# Allegro board PCIE_FIBER_BOARD-1116.brd (continued)
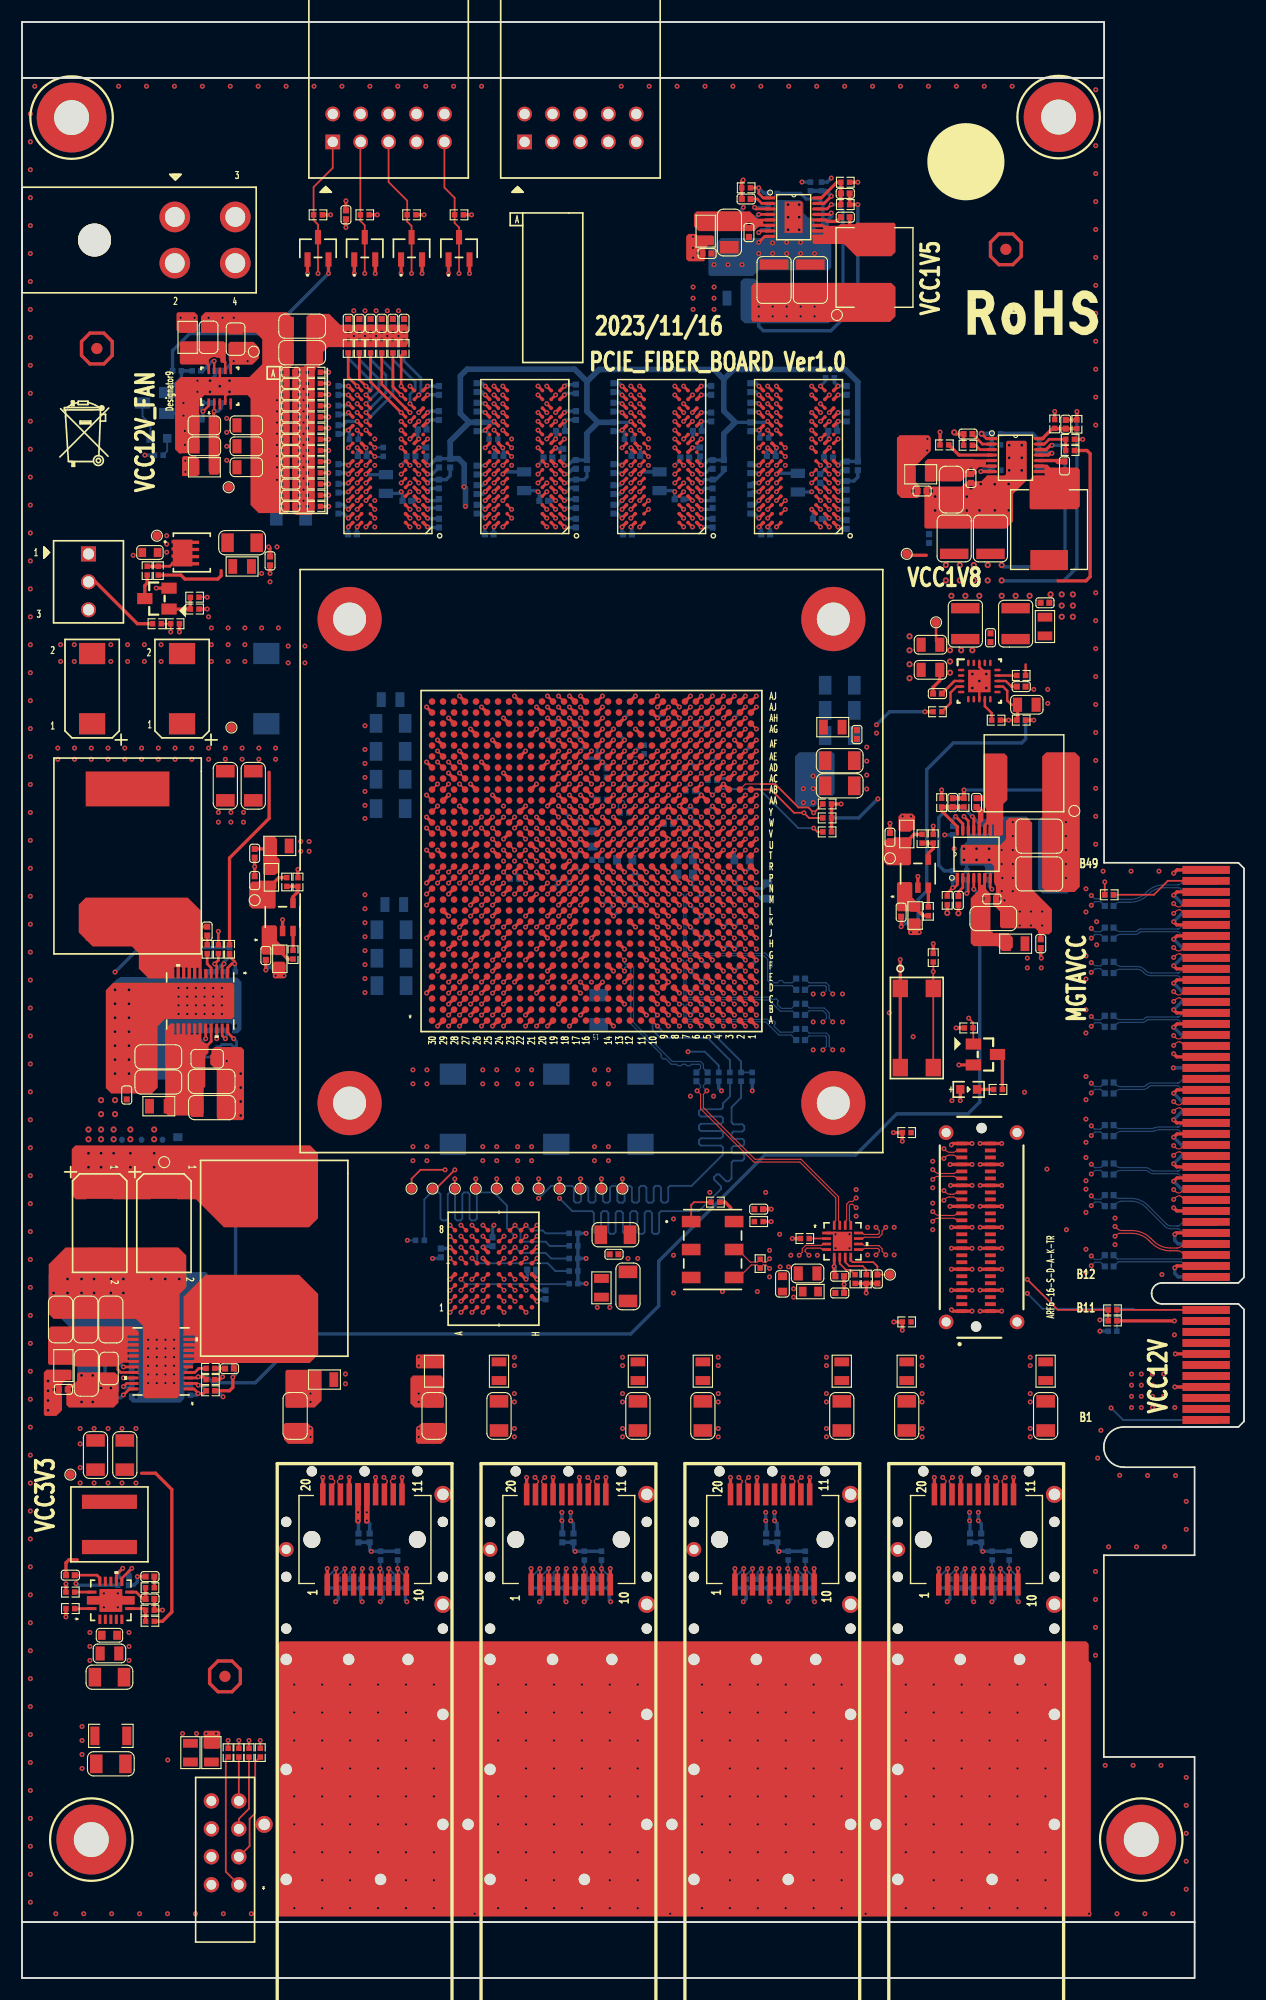
[diagram p0: board, top side]
## Routing (per net, layer and track width the routed paths; a pad name or vN(x,y) marks a point on that pad's centre or on a via; arc(x,y) is an arc through that point) (continued)
  ART08 w0.117: v1(40.8,99.53) 40.39,99.94 40.39,100.58 39.12,101.85 33.4,101.85 26.7,95.15 26.7,80.64 26.81,80.52 27,80.52 27.11,80.41 27.11,80.17 27,80.06 26.81,80.06 26.7,79.94 26.7,78.72 27.35,78.07 27.35,77.91 26.92,77.48 26.92,77.32 27.09,77.15 27.25,77.15 27.68,77.58 27.84,77.58 28.01,77.41 28.01,77.25 27.59,76.82 27.59,76.66 27.75,76.49 27.92,76.49 28.34,76.92 28.51,76.92 28.67,76.75 28.67,76.58 28.25,76.16 28.25,76 28.41,75.83 28.58,75.83 29,76.25 29.17,76.25 29.33,76.09 29.33,75.92 28.91,75.5 28.91,75.33 29.07,75.17 29.24,75.17 29.66,75.59 29.83,75.59 29.99,75.43 29.99,75.26 29.57,74.84 29.57,74.67 29.74,74.51 29.9,74.51 30.32,74.93 30.49,74.93 30.66,74.77 30.66,74.6 30.23,74.18 30.23,74.01 30.4,73.85 30.56,73.85 30.99,74.27 31.15,74.27 31.32,74.1 31.32,73.94 30.89,73.51 30.89,73.35 31.06,73.18 31.22,73.18 31.65,73.61 31.81,73.61 31.98,73.44 31.98,73.28 31.55,72.85 31.55,72.69 31.72,72.52 31.88,72.52 32.31,72.95 32.47,72.95 32.64,72.78 32.64,72.62 32.22,72.19 32.22,72.03 32.38,71.86 32.55,71.86 32.97,72.29 33.14,72.29 34.05,71.37 45.06,71.37 47.62,68.81 47.62,65.02 47.5,64.9 46.61,64.9 46.35,65.15 46.35,67.06 45.98,67.43 v1(45.85,67.43)
BPI_FLASH_DQ_15: length 82
  TOP w0.165: U248.E7 v1(43.85,67.43) ; U247.R26 v1(40.8,100.53)
  ART08 w0.117: v1(43.85,67.43) 43.85,68.83 43.34,69.34 32.49,69.34 24.82,77.01 24.82,99 30.46,104.65 31.88,104.65 32.26,105.03 32.64,105.03 32.76,105.15 32.76,105.48 32.88,105.6 33.11,105.6 33.23,105.48 33.23,105.15 33.34,105.03 33.58,105.03 33.69,105.15 33.69,105.48 33.81,105.6 34.04,105.6 34.16,105.48 34.16,105.15 34.28,105.03 34.51,105.03 34.63,105.15 34.63,105.48 34.75,105.6 34.98,105.6 35.1,105.48 35.1,105.15 35.21,105.03 35.45,105.03 35.56,105.15 35.56,105.48 35.68,105.6 35.91,105.6 36.03,105.48 36.03,105.15 36.15,105.03 43.59,105.03 45.59,103.02 45.92,103.02 46.23,102.72 46.23,102.36 45.85,101.98 42.25,101.98 v1(40.8,100.53)
BPI_FLASH_OE_B: length 85.9
  TOP w0.165: U248.F8 v1(44.85,68.43) ; U247.M24 v1(42.8,97.53)
  ART03 w0.117: v1(44.85,68.43) 44.85,69.51 45.19,69.85 45.36,69.85 46.03,69.18 46.2,69.18 46.36,69.35 46.36,69.51 45.69,70.18 45.69,70.35 46.74,71.4 48.05,71.4 48.37,71.72 48.37,72.07 48.26,72.19 47.52,72.19 47.4,72.31 47.4,72.54 47.52,72.66 48.26,72.66 48.37,72.77 48.37,73.01 48.26,73.12 47.52,73.12 47.4,73.24 47.4,73.47 47.52,73.59 48.26,73.59 48.37,73.71 48.37,73.94 48.26,74.06 47.52,74.06 47.4,74.18 47.4,74.41 47.52,74.53 48.26,74.53 48.37,74.64 48.37,74.88 48.26,74.99 47.52,74.99 47.4,75.11 47.4,75.34 47.52,75.46 48.26,75.46 48.37,75.58 48.37,75.9 47.93,76.35 47.77,76.35 47.22,75.8 47.05,75.8 46.89,75.97 46.89,76.13 47.43,76.68 47.43,76.84 47.27,77.01 47.1,77.01 46.56,76.46 46.39,76.46 46.23,76.63 46.23,76.79 46.77,77.34 46.77,77.5 46.61,77.67 46.44,77.67 45.9,77.12 45.73,77.12 45.57,77.29 45.57,77.45 46.11,78 46.11,78.17 45.77,78.51 45.23,78.51 45.11,78.39 45.11,78.06 44.99,77.95 44.76,77.95 44.64,78.06 44.64,78.39 44.53,78.51 44.14,78.51 44.03,78.39 44.03,76.61 43.91,76.49 43.68,76.49 43.56,76.61 43.56,78.39 43.44,78.51 43.21,78.51 43.09,78.39 43.09,76.61 42.98,76.49 42.74,76.49 42.62,76.61 42.62,78.39 42.51,78.51 42.27,78.51 42.16,78.39 42.16,76.61 42.04,76.49 41.81,76.49 41.69,76.61 41.69,78.39 41.57,78.51 41.34,78.51 41.22,78.39 41.22,76.61 41.11,76.49 40.87,76.49 40.76,76.61 40.76,78.39 40.64,78.51 40.4,78.51 40.29,78.39 40.29,76.61 40.17,76.49 39.94,76.49 39.82,76.61 39.82,78.39 39.7,78.51 38.91,78.51 36.17,81.25 36.17,85.32 35.53,85.97 35.53,91.13 39.52,95.12 41.22,95.12 42.29,96.19 42.29,97.02 v1(42.8,97.53)
  BOTTOM w0.165: R1153.2 48.01,66.55 47.62,66.93 45.5,66.93 45.34,67.09 45.34,67.93 v1(44.85,68.43)
BPI_FLASH_RST_B: length 66.6
  TOP w0.165: U248.D4 v1(41.93,63.51)
  ART03 w0.117: v1(41.93,63.51) 43.13,63.51 43.64,64.03 47.13,64.03 47.88,64.77 47.88,69.85 v1(48.9,70.87)
  BOTTOM w0.165: R1151.2 65.41,80.01 64.54,79.15 64.54,77.77 64.71,77.6 65.53,77.6 65.69,77.44 65.69,77.11 65.53,76.94 64.71,76.94 64.54,76.78 64.54,76.45 64.71,76.28 65.53,76.28 65.69,76.12 65.69,75.79 65.53,75.62 64.71,75.62 64.54,75.46 64.54,75.13 64.71,74.96 65.53,74.96 65.69,74.8 65.69,74.47 65.53,74.3 64.71,74.3 64.54,74.14 64.54,72.68 64.28,72.42 64.05,72.42 63.42,73.05 63.19,73.05 62.95,72.81 62.95,72.58 63.58,71.95 63.58,71.72 61.56,69.71 58.12,69.71 57.96,69.54 57.96,67.81 57.79,67.65 57.46,67.65 57.3,67.81 57.3,69.54 57.13,69.71 56.8,69.71 56.64,69.54 56.64,67.81 56.47,67.65 56.14,67.65 55.98,67.81 55.98,69.54 55.81,69.71 55.48,69.71 55.31,69.54 55.31,67.81 55.15,67.65 54.82,67.65 54.65,67.81 54.65,69.54 54.49,69.71 54.16,69.71 53.99,69.54 53.99,67.81 53.83,67.65 53.5,67.65 53.33,67.81 53.33,69.54 53.17,69.71 52.84,69.71 52.67,69.54 52.67,67.81 52.51,67.65 52.18,67.65 52.01,67.81 52.01,69.54 51.85,69.71 50.06,69.71 v1(48.9,70.87)
BPI_FLASH_WAIT: length 46.4
  TOP w0.165: U247.R28 v1(38.8,100.53)
  ART03 w0.117: v1(38.8,100.53) 38.23,101.1 36.79,101.1 36.67,100.99 36.67,100.51 36.56,100.39 36.32,100.39 36.21,100.51 36.21,100.99 36.09,101.1 35.85,101.1 35.74,100.99 35.74,100.51 35.62,100.39 35.39,100.39 35.27,100.51 35.27,100.99 35.15,101.1 34.83,101.1 32.86,99.13 32.86,96.99 31.31,95.44 31.05,95.44 29.87,94.26 29.87,86.56 31.09,85.34 31.09,83 32.97,81.12 32.97,69.14 v1(35.05,67.06)
  BOTTOM w0.165: R1157.1 v1(35.05,67.06)
BPI_FLASH_WE_B: length 84.2
  TOP w0.165: U248.G8 v1(45.85,68.43) ; U247.M25 v1(41.8,97.53)
  ART03 w0.117: v1(41.8,97.53) 41.3,97.03 41.3,96.41 40.87,95.99 39.5,95.99 39.17,95.66 39.01,95.66 38.42,96.25 38.25,96.25 38.08,96.09 38.08,95.92 38.68,95.33 38.68,95.17 38.51,95 38.35,95 37.75,95.59 37.59,95.59 37.42,95.43 37.42,95.26 38.01,94.67 38.01,94.5 37.07,93.56 36.9,93.56 36.38,94.08 36.22,94.08 36.05,93.91 36.05,93.75 36.57,93.23 36.57,93.06 36.41,92.9 36.24,92.9 35.72,93.42 35.56,93.42 35.39,93.25 35.39,93.09 35.91,92.57 35.91,92.4 35.1,91.59 35.1,85.35 35.22,85.23 35.67,85.23 35.79,85.12 35.79,84.88 35.67,84.76 35.22,84.76 35.1,84.65 35.1,84.41 35.22,84.3 35.67,84.3 35.79,84.18 35.79,83.95 35.67,83.83 35.22,83.83 35.1,83.71 35.1,80.56 35.45,80.21 35.62,80.21 36.07,80.66 36.24,80.66 36.4,80.5 36.4,80.33 35.95,79.88 35.95,79.71 36.11,79.55 36.28,79.55 36.73,80 36.9,80 37.06,79.84 37.06,79.67 36.61,79.22 36.61,79.05 36.77,78.88 36.94,78.88 37.39,79.34 37.56,79.34 37.72,79.17 37.72,79.01 37.27,78.55 37.27,78.39 37.44,78.22 37.6,78.22 38.06,78.68 38.22,78.68 38.39,78.51 38.39,78.35 37.93,77.89 37.93,77.73 38.1,77.56 38.26,77.56 38.72,78.02 38.88,78.02 39.05,77.85 39.05,77.69 38.59,77.23 38.59,77.07 39.59,76.07 40.18,76.07 40.3,75.95 40.3,75.46 40.41,75.34 40.65,75.34 40.76,75.46 40.76,75.95 40.88,76.07 43.64,76.07 43.75,75.95 43.75,73.88 43.64,73.76 40.28,73.76 40.16,73.65 40.16,73.41 40.28,73.3 43.64,73.3 43.75,73.18 43.75,72.05 43.87,71.93 44.1,71.93 44.22,72.05 44.22,75.95 44.34,76.07 45.67,76.07 45.94,75.8 45.94,75.02 45.82,74.9 45.63,74.9 45.52,74.79 45.52,74.55 45.63,74.44 45.82,74.44 45.94,74.32 45.94,74.09 45.82,73.97 45.63,73.97 45.52,73.85 45.52,73.62 45.63,73.5 45.82,73.5 45.94,73.39 45.94,73.15 45.82,73.04 45.63,73.04 45.52,72.92 45.52,72.68 45.63,72.57 45.82,72.57 45.94,72.45 45.94,72.22 45.82,72.1 45.63,72.1 45.52,71.98 45.52,71.75 45.63,71.63 45.82,71.63 45.94,71.52 45.94,71.2 44.24,69.49 44.24,68.25 44.54,67.95 45.36,67.95 v1(45.85,68.43)
  BOTTOM w0.165: R1156.2 47.62,67.69 47.37,67.95 46.33,67.95 v1(45.85,68.43)
DDR3_A_A0: length 115.9
  TOP w0.254: U78.N3 v1(46.93,142.3) ; U77.N3 v1(34.49,142.3) 31.7,145.08 R460.2 ; U247.AB9 v1(58.8,108.53) ; U76.N3 v1(71.83,142.3) ; U75.N3 v1(59.38,142.3)
  ART05 w0.102: 75.01,143.04 73.24,143.04 72.9,142.7 72.23,142.7 v1(71.83,142.3) 71.43,142.7 59.78,142.7 v1(59.38,142.3) 58.98,142.7 47.33,142.7 v1(46.93,142.3) 46.53,142.7 34.89,142.7 v1(34.49,142.3) ; v1(58.8,108.53) 58.84,108.53 59.24,108.93 61.93,108.93 62.29,109.28 62.29,109.69 62.59,110 67.3,110
  ART05 w0.183: 75.01,143.04 75.8,143.04 78.79,140.05 78.79,130.26 75.17,126.64 71.94,126.64 70.68,125.38 70.68,118.43 70.5,118.25 69.57,118.25 69.38,118.06 69.38,117.7 69.57,117.52 70.5,117.52 70.68,117.33 70.68,116.97 70.5,116.78 69.13,116.78 68.94,116.6 68.94,116.24 69.13,116.05 70.5,116.05 70.68,115.87 70.68,115.5 70.5,115.32 69.13,115.32 68.94,115.14 68.94,114.77 69.13,114.59 70.5,114.59 70.68,114.41 70.68,114.04 70.5,113.86 69.13,113.86 68.94,113.68 68.94,113.31 69.13,113.13 70.5,113.13 70.68,112.94 70.68,112.56 70.03,111.91 69.77,111.91 69.28,112.4 69.02,112.4 68.77,112.14 68.77,111.88 69.26,111.39 69.26,111.13 68.12,110 67.3,110
DDR3_A_A1: length 114.3
  TOP w0.254: U75.P7 v1(56.18,143.1) ; U77.P7 v1(31.29,143.1) ; U76.P7 v1(68.63,143.1) ; U247.AA11 v1(56.8,107.53) ; U78.P7 v1(43.73,143.1)
  ART08 w0.102: v1(31.29,143.1) 31.69,143.5 43.29,143.5 43.69,143.1 v1(43.73,143.1) 44.13,143.5 55.78,143.5 v1(56.18,143.1) 56.58,143.5 68.02,143.5 68.43,143.1 v1(68.63,143.1) 71.78,143.1 72.18,142.7 72.94,142.7 73.13,142.89 73.39,142.89 ; 67.18,110.32 66.79,109.93 57.61,109.93 57.4,109.72 57.4,108.43 56.8,107.83 v1(56.8,107.53)
  ART08 w0.183: 67.18,110.32 67.48,110.62 67.48,117.16 67.3,117.34 64.42,117.34 64.21,117.54 64.21,117.89 64.4,118.07 67.3,118.07 67.48,118.25 67.48,126.68 67.76,126.96 68.01,126.96 69.03,125.94 69.29,125.94 69.55,126.2 69.55,126.46 68.53,127.47 68.53,127.73 68.79,127.99 69.05,127.99 69.47,127.57 69.73,127.57 69.98,127.83 69.98,128.09 69.57,128.51 69.57,128.77 71.92,131.12 74.76,131.12 75.23,131.59 75.23,142.04 74.38,142.89 73.39,142.89
  BOTTOM w0.254: v1(31.29,143.1) 32.47,144.28 32.47,145.33 30.69,147.1 R461.2
DDR3_A_A2: length 115.2
  TOP w0.254: U76.P3 v1(72.63,142.3) ; R462.2 32.72,144.87 U77.P3 v1(35.29,142.3) ; U78.P3 v1(47.73,142.3) ; U75.P3 v1(60.18,142.3) ; U247.AC10 v1(57.8,109.53)
  ART03 w0.102: v1(35.29,142.3) 35.69,142.7 U78.P3 v1(47.73,142.3) 48.14,142.7 U75.P3 v1(60.18,142.3) 60.58,142.7 U76.P3 v1(72.63,142.3)
  ART05 w0.102: v1(72.63,142.3) 72.86,142.3 73.26,142.7 74.39,142.7 74.7,142.39 74.96,142.39 ; v1(57.8,109.53) 58.2,109.13 60.96,109.13 61.2,109.36 61.2,110.63 61.55,110.99 66.92,110.99
  ART05 w0.183: 74.96,142.39 75.76,142.39 78.3,139.85 78.3,130.46 74.97,127.13 71.74,127.13 70.19,125.59 70.19,121.97 70.01,121.79 67.57,121.79 67.39,121.6 67.39,121.24 67.57,121.05 70.01,121.05 70.19,120.87 70.19,120.5 70.01,120.32 67.46,120.32 67.27,120.14 67.27,119.77 67.46,119.59 70.01,119.59 70.19,119.41 70.19,119.04 70.01,118.86 67.75,118.86 67.57,118.68 67.57,118.31 67.75,118.13 68.27,118.13 68.46,117.94 68.46,112.52 67.95,112.01 67.95,111.75 68.44,111.26 68.44,111 68.18,110.74 67.92,110.74 67.43,111.23 67.17,111.23 66.92,110.99
DDR3_A_A3: length 117.7
  TOP w0.254: U75.N2 v1(60.18,141.5) ; U77.N2 v1(35.29,141.5) ; U247.AC9 v1(58.8,109.53) ; R463.2 v1(27.89,140.88) ; U78.N2 v1(47.73,141.5) ; U76.N2 v1(72.63,141.5)
  ART03 w0.102: v1(72.63,141.5) 72.23,141.9 U75.N2 v1(60.18,141.5) 59.78,141.9 U78.N2 v1(47.73,141.5) 47.33,141.9 U77.N2 v1(35.29,141.5)
  ART05 w0.102: v1(27.89,140.88) 28.11,141.1 34.89,141.1 v1(35.29,141.5) ; 67.3,112.05 60.69,112.05 60.4,111.77 60.4,110.23 60.1,109.93 59.2,109.93 v1(58.8,109.53) ; v1(72.63,141.5) U76.N2 75.21,141.9
  ART05 w0.183: 67.3,112.05 67.97,112.72 67.97,117.22 66.79,118.4 66.79,122.35 66.97,122.54 69.52,122.54 69.71,122.72 69.71,123.09 69.52,123.27 66.97,123.27 66.79,123.45 66.79,123.82 66.97,124 69.52,124 69.71,124.18 69.71,124.55 69.52,124.73 66.97,124.73 66.79,124.92 66.79,125.28 66.97,125.46 69.52,125.46 69.71,125.65 69.71,126.01 69.52,126.2 68.02,126.2 67.81,126.4 67.81,126.75 68.04,126.99 70.91,126.99 71.54,127.62 74.77,127.62 77.81,130.66 77.81,139.65 75.56,141.9 75.21,141.9
DDR3_A_A4: length 112.1
  TOP w0.254: U77.P8 v1(30.49,143.1) ; U78.P8 v1(42.93,143.1) ; U247.AB12 v1(55.8,108.53) ; U76.P8 v1(67.83,143.1) ; U75.P8 v1(55.38,143.1) ; R464.2 v1(27.89,144.95)
  ART05 w0.102: v1(30.49,143.1) 30.09,143.5 29.34,143.5 v1(27.89,144.95)
  ART08 w0.102: 63.33,117.03 63.33,110.4 63.06,110.13 57.53,110.13 57.2,109.8 57.2,109.25 56.95,109 56.27,109 v1(55.8,108.53) ; v1(67.83,143.1) 68.01,143.1 68.41,142.7 70.73,142.7 71.53,141.9 74.43,141.9 74.68,141.64
  ART08 w0.183: 74.68,141.64 74.68,131.73 74.41,131.46 71.57,131.46 66.99,126.88 66.99,121.67 66.81,121.48 64.55,121.48 64.37,121.3 64.37,120.94 64.55,120.75 66.81,120.75 66.99,120.57 66.99,120.2 66.81,120.02 63.83,120.02 63.64,119.84 63.64,119.47 63.83,119.29 66.81,119.29 66.99,119.11 66.99,118.74 66.81,118.56 63.51,118.56 63.33,118.37 63.33,117.03
  ART10 w0.102: v1(67.83,143.1) 67.43,142.7 U75.P8 v1(55.38,143.1) 54.98,142.7 U78.P8 v1(42.93,143.1) 42.53,142.7 U77.P8 v1(30.49,143.1)
DDR3_A_A5: length 114.9
  TOP w0.254: U75.P2 v1(60.18,143.1) ; U77.P2 v1(35.29,143.1) ; U247.AA8 v1(59.8,107.53) ; U78.P2 v1(47.73,143.1) ; U76.P2 v1(72.63,143.1)
  ART05 w0.102: 67.3,108.79 67.27,108.79 67.13,108.93 63.28,108.93 62.28,107.93 61.32,107.93 60.92,107.53 v1(59.8,107.53) ; 74.67,144.3 74.67,144.3 74.01,144.3 73.91,144.4 73.36,144.4 72.9,143.94 72.9,143.37 v1(72.63,143.1) 72.23,143.5 60.58,143.5 v1(60.18,143.1) 59.78,143.5 48.14,143.5 v1(47.73,143.1) 47.33,143.5 35.69,143.5 v1(35.29,143.1)
  ART05 w0.183: 67.3,108.79 68.29,108.79 73.62,114.12 73.62,114.38 73.25,114.75 73.25,115.01 73.51,115.27 73.77,115.27 74.14,114.9 74.4,114.9 74.93,115.42 74.93,116.66 74.75,116.84 73.01,116.84 72.83,117.03 72.83,117.39 73.01,117.58 74.75,117.58 74.93,117.76 74.93,118.12 74.75,118.31 73.01,118.31 72.83,118.49 72.83,118.86 73.01,119.04 74.75,119.04 74.93,119.22 74.93,119.59 74.75,119.77 73.01,119.77 72.83,119.95 72.83,120.32 73.01,120.5 74.75,120.5 74.93,120.68 74.93,121.24 76.71,123.03 76.71,126.81 79.76,129.85 79.76,140.46 75.92,144.3 74.67,144.3
  BOTTOM w0.254: R465.2 33.74,147.1 35.76,145.08 35.76,144.44 35.29,143.96 v1(35.29,143.1)
DDR3_A_A6: length 112.5
  TOP w0.254: U76.R8 v1(67.83,143.9) ; R466.2 v1(27.89,145.96) ; U247.AB10 v1(57.8,108.53) ; U75.R8 v1(55.38,143.9) ; U77.R8 v1(30.49,143.9) ; U78.R8 v1(42.93,143.9)
  ART05 w0.102: v1(27.89,145.96) 27.89,145.71 29.3,144.3 30.09,144.3 v1(30.49,143.9)
  ART08 w0.102: v1(67.83,143.9) 68.01,143.9 68.41,143.5 68.94,143.5 ; v1(57.8,108.53) 57.8,108.81 58.12,109.13 67.03,109.13 67.11,109.21 67.14,109.21
  ART08 w0.183: 68.94,143.5 71.04,143.5 71.08,143.46 72.25,143.46 72.33,143.54 72.96,143.54 73.04,143.46 74.6,143.46 75.72,142.34 75.72,141.56 75.9,141.38 76.25,141.38 76.43,141.19 76.43,140.83 76.25,140.64 75.9,140.64 75.72,140.46 75.72,131.39 74.39,130.06 74.13,130.06 73.55,130.64 73.29,130.64 73.03,130.38 73.03,130.12 73.61,129.54 73.61,129.28 73.35,129.02 73.09,129.02 72.02,130.09 71.76,130.09 71.51,129.83 71.51,129.57 72.58,128.5 72.58,128.25 72.32,127.99 72.06,127.99 71.01,129.03 70.76,129.03 70.5,128.77 70.5,128.51 71.54,127.47 71.54,127.21 71.27,126.94 71.01,126.94 70.56,127.38 70.3,127.38 70.04,127.13 70.04,126.87 70.49,126.42 70.49,126.16 69.39,125.06 68.2,125.06 67.97,124.82 67.97,110.04 67.14,109.21
  ART10 w0.102: v1(67.83,143.9) 67.43,143.5 U75.R8 v1(55.38,143.9) 54.98,143.5 U78.R8 v1(42.93,143.9) 42.53,143.5 U77.R8 v1(30.49,143.9)
DDR3_A_A7: length 113.5
  TOP w0.254: U77.R2 v1(36.09,143.9) ; U76.R2 v1(73.43,143.9) ; v1(55.8,107.53) U247.AA12 ; U75.R2 v1(60.98,143.9) ; U78.R2 v1(48.54,143.9)
  ART03 w0.102: v1(36.09,143.9) 36.49,143.5 U78.R2 v1(48.54,143.9) 48.94,143.5 U75.R2 v1(60.98,143.9) 61.38,143.5 U76.R2 v1(73.43,143.9)
  ART05 w0.102: 67.3,109.27 67.27,109.27 67.13,109.13 63.19,109.13 62.19,108.13 60.4,108.13 60.35,108.08 56.35,108.08 v1(55.8,107.53)
  ART05 w0.183: 67.3,109.27 68.09,109.27 71.17,112.36 71.17,113.46 71.35,113.64 72.45,113.64 72.65,113.84 72.65,114.19 72.47,114.37 71.35,114.37 71.17,114.55 71.17,114.92 71.35,115.1 72.09,115.1 72.27,115.28 72.27,115.65 72.09,115.83 71.35,115.83 71.17,116.02 71.17,116.38 71.35,116.56 72.09,116.56 72.27,116.75 72.27,117.11 72.09,117.3 71.35,117.3 71.17,117.48 71.17,117.85 71.35,118.03 72.09,118.03 72.27,118.21 72.27,118.58 72.09,118.76 71.35,118.76 71.17,118.94 71.17,119.31 71.35,119.49 72.09,119.49 72.27,119.67 72.27,120.04 72.09,120.22 71.35,120.22 71.17,120.41 71.17,125.18 72.14,126.16 75.38,126.16 79.27,130.05 79.27,140.25 75.89,143.64 74.68,143.64 74.47,143.43 73.89,143.43 v1(73.43,143.9)
  BOTTOM w0.254: v1(36.09,143.9) 36.28,144.09 36.28,145.45 34.75,146.98 R467.2
DDR3_A_A8: length 111.8
  TOP w0.254: U247.Y11 v1(56.8,106.53) ; U77.T8 v1(30.49,144.7) 29.67,145.52 R468.2 ; U76.T8 v1(67.83,144.7) ; U78.T8 v1(42.93,144.7) ; U75.T8 v1(55.38,144.7)
  ART08 w0.102: 69.19,144.3 68.42,144.3 68.02,144.7 v1(67.83,144.7) ; v1(56.8,106.53) 57.07,106.53 57.2,106.66 57.2,107.82 57.51,108.13 66.26,108.13 66.49,108.36 67.67,108.36 67.98,108.67
  ART08 w0.183: 69.19,144.3 70.15,144.3 70.99,145.14 74.58,145.14 77.41,142.31 77.41,131.7 70.66,124.95 70.66,117.99 70.48,117.8 69.44,117.8 69.26,117.62 69.26,117.26 69.44,117.07 70.48,117.07 70.66,116.89 70.66,116.53 70.48,116.34 69.42,116.34 69.24,116.16 69.24,115.79 69.42,115.61 70.48,115.61 70.66,115.43 70.66,115.03 70.41,114.77 69.13,114.77 68.94,114.59 68.94,109.64 67.98,108.67
  ART10 w0.102: v1(67.83,144.7) 67.43,144.3 U75.T8 v1(55.38,144.7) 54.98,144.3 U78.T8 v1(42.93,144.7) 42.53,144.3 U77.T8 v1(30.49,144.7)
DDR3_A_A9: length 113.3
  TOP w0.254: U75.R3 v1(59.38,143.9) ; R469.2 33.74,144.65 v1(34.49,143.9) U77.R3 ; U78.R3 v1(46.93,143.9) ; U76.R3 v1(71.83,143.9) ; U247.AA10 v1(57.8,107.53)
  ART05 w0.102: 67.3,108.27 67.27,108.27 67.13,108.13 63.43,108.13 63.2,107.9 63.2,107.28 63.05,107.13 58.2,107.13 v1(57.8,107.53) ; v1(34.49,143.9) 34.89,144.3 46.53,144.3 v1(46.93,143.9) 47.33,144.3 58.98,144.3 v1(59.38,143.9) 59.78,144.3 71.43,144.3 v1(71.83,143.9) 72.4,143.9 73.39,144.89
  ART05 w0.183: 67.3,108.27 68.47,108.27 75.44,115.25 75.44,118.13 75.63,118.31 76.37,118.31 76.55,118.49 76.55,118.85 76.36,119.04 75.6,119.04 75.42,119.22 75.42,119.59 75.6,119.77 77.02,119.77 77.2,119.95 77.2,120.32 77.02,120.5 75.61,120.5 75.43,120.69 75.43,121.05 75.61,121.23 77.02,121.23 77.2,121.42 77.2,125.47 77.95,126.22 77.95,126.48 77.64,126.78 77.64,127.04 77.9,127.3 78.16,127.3 78.46,126.99 78.72,126.99 78.98,127.25 78.98,127.51 78.68,127.82 78.68,128.08 78.93,128.33 79.19,128.33 79.5,128.03 79.76,128.03 80.25,128.52 80.25,140.66 75.76,145.15 73.65,145.15 73.39,144.89
DDR3_A_A10: length 113.1
  TOP w0.254: U78.L7 v1(43.73,140.7) ; R470.2 v1(27.89,139.87) ; U247.AE9 v1(58.8,111.53) ; U76.L7 v1(68.63,140.7) ; U75.L7 v1(56.18,140.7) ; U77.L7 v1(31.29,140.7)
  ART08 w0.102: v1(68.63,140.7) 68.23,141.1 56.58,141.1 v1(56.18,140.7) 55.78,141.1 44.13,141.1 v1(43.73,140.7) 43.33,141.1 31.69,141.1 v1(31.29,140.7) 30.89,141.1 29.13,141.1 v1(27.89,139.87)
  ART08 w0.183: v1(68.63,140.7) 69.88,139.44 69.88,132.53 67.87,130.52 57.38,130.52 57.03,130.17 57.03,128.81 57.22,128.62 58.53,128.62 58.71,128.44 58.71,128.08 58.53,127.89 57.22,127.89 57.03,127.71 57.03,127.34 57.22,127.16 58.53,127.16 58.71,126.98 58.71,126.61 58.53,126.43 57.22,126.43 57.03,126.25 57.03,125.88 57.22,125.7 58.53,125.7 58.71,125.52 58.71,125.15 58.53,124.97 56.58,124.97 56.39,124.78 56.39,124.42 56.58,124.24 58.53,124.24 58.71,124.05 58.71,123.69 58.53,123.5 55.64,123.5 55.46,123.32 55.46,122.98 55.64,122.8 58.5,122.8 58.71,122.59 58.71,122.25 58.53,122.07 55.66,122.07 55.48,121.88 55.48,121.52 55.69,121.31 58.53,121.31 58.71,121.13 58.71,120.76 58.53,120.58 57.22,120.58 57.03,120.39 57.03,113.29 v1(58.8,111.53)
DDR3_A_A11: length 113.3
  TOP w0.254: U76.R7 v1(68.63,143.9) ; U247.AB8 v1(59.8,108.53) ; U78.R7 v1(43.73,143.9) ; U75.R7 v1(56.18,143.9) ; U77.R7 v1(31.29,143.9)
  ART08 w0.102: 74.96,143.96 74.62,144.3 71.47,144.3 71.07,143.9 v1(68.63,143.9) 68.44,143.9 68.04,144.3 56.58,144.3 v1(56.18,143.9) 55.78,144.3 44.13,144.3 v1(43.73,143.9) 43.33,144.3 31.69,144.3 v1(31.29,143.9) ; v1(59.8,108.53) 60.2,108.93 66.96,108.93 67.05,108.84 67.46,108.84 67.64,109.02
  ART08 w0.183: 67.64,109.02 68.46,109.84 68.46,118.29 68.64,118.48 69.99,118.48 70.17,118.66 70.17,119.03 69.99,119.21 68.64,119.21 68.46,119.39 68.46,119.76 68.64,119.94 69.99,119.94 70.17,120.12 70.17,120.49 69.99,120.67 68.64,120.67 68.46,120.85 68.46,121.22 68.64,121.4 69.99,121.4 70.17,121.59 70.17,121.95 69.99,122.13 68.64,122.13 68.46,122.32 68.46,122.68 68.64,122.87 69.99,122.87 70.17,123.05 70.17,123.42 69.99,123.6 69.05,123.6 68.86,123.78 68.86,124.15 69.05,124.33 69.99,124.33 70.17,124.51 70.17,125.15 76.31,131.29 76.31,134.97 76.61,135.27 76.61,135.71 76.31,136 76.31,136.44 76.61,136.73 76.61,137.17 76.31,137.46 76.31,137.9 76.61,138.19 76.61,138.63 76.31,138.92 76.31,139.55 76.92,140.16 76.92,142 74.96,143.96
  BOTTOM w0.254: R471.2 29.67,147.23 31.83,145.07 31.83,144.44 v1(31.29,143.9)
DDR3_A_A12: length 115.1
  TOP w0.254: U75.N7 v1(56.18,142.3) ; U77.N7 v1(31.29,142.3) ; U76.N7 v1(68.63,142.3) ; U247.AD8 v1(59.8,110.53) ; U78.N7 v1(43.73,142.3)
  ART08 w0.102: v1(68.63,142.3) 68.41,142.3 68.01,142.7 56.58,142.7 v1(56.18,142.3) 55.78,142.7 44.13,142.7 v1(43.73,142.3) 43.33,142.7 31.69,142.7 v1(31.29,142.3) ; v1(59.8,110.53) 60.28,111.01 62.16,111.01 62.31,111.16 62.31,117.03
  ART08 w0.183: v1(68.63,142.3) 70.22,142.3 71.37,141.15 71.37,131.95 66.12,126.7 63.56,126.7 63.38,126.52 63.38,126.15 63.56,125.97 66.32,125.97 66.51,125.79 66.51,125.42 66.32,125.24 62.49,125.24 62.31,125.06 62.31,124.69 62.49,124.51 66.32,124.51 66.51,124.32 66.51,123.96 66.32,123.78 62.49,123.78 62.31,123.59 62.31,123.23 62.49,123.04 66.32,123.04 66.51,122.86 66.51,122.5 66.32,122.31 62.49,122.31 62.31,122.13 62.31,121.76 62.49,121.58 63.47,121.58 63.66,121.4 63.66,121.03 63.47,120.85 62.49,120.85 62.31,120.67 62.31,120.28 62.49,120.1 62.92,120.1 63.11,119.91 63.11,119.55 62.92,119.37 62.49,119.37 62.31,119.18 62.31,117.03
  BOTTOM w0.254: R472.2 31.7,147.1 33.1,145.71 33.1,144.11 v1(31.29,142.3)
DDR3_A_A13: length 112.2
  TOP w0.254: U247.AA13 v1(54.8,107.53) ; R473.2 34.49,147.46 v1(34.49,144.7) U77.T3 ; U75.T3 v1(59.38,144.7) ; U76.T3 v1(71.83,144.7) ; U78.T3 v1(46.93,144.7)
  ART05 w0.102: v1(71.83,144.7) 71.43,145.1 59.78,145.1 v1(59.38,144.7) 58.98,145.1 47.33,145.1 v1(46.93,144.7) 46.53,145.1 34.89,145.1 v1(34.49,144.7) ; 68.1,106.27 67.96,106.13 55.54,106.13 55.2,106.47 55.2,106.9 54.8,107.3 v1(54.8,107.53)
  ART05 w0.183: v1(71.83,144.7) 73.25,146.12 76.16,146.12 81.22,141.06 81.22,128.11 78.18,125.07 78.18,118.63 76.42,116.87 76.42,114.59 69.33,107.5 69.33,107.24 69.61,106.96 69.61,106.7 69.35,106.44 69.1,106.44 68.82,106.72 68.56,106.72 68.1,106.27
DDR3_A_A14: length 111.6
  TOP w0.254: U76.T7 v1(68.63,144.7) ; U78.T7 v1(43.73,144.7) ; R474.2 30.69,145.3 v1(31.29,144.7) U77.T7 ; U75.T7 v1(56.18,144.7) ; U247.Y10 v1(57.8,106.53)
  ART08 w0.102: v1(57.8,106.53) 57.4,106.93 57.4,107.73 57.59,107.93 67.93,107.93 ; v1(31.29,144.7) 31.69,145.1 43.33,145.1 v1(43.73,144.7) 44.13,145.1 55.78,145.1 v1(56.18,144.7) 56.58,145.1 68.15,145.1 68.55,144.7 v1(68.63,144.7)
  ART08 w0.183: v1(68.63,144.7) 69.9,144.7 70.78,145.58 74.86,145.58 77.89,142.55 77.89,131.49 71.15,124.75 71.15,114.1 70.97,113.91 69.76,113.91 69.58,113.73 69.58,113.37 69.76,113.18 70.97,113.18 71.15,113 71.15,112.63 70.97,112.45 69.76,112.45 69.58,112.27 69.58,111.9 69.76,111.72 70.97,111.72 71.15,111.54 71.15,111.15 67.93,107.93
DDR3_A_A15: length 116
  TOP w0.254: U247.AE8 v1(59.8,111.53) ; U75.M7 v1(56.18,141.5) ; U78.M7 v1(43.73,141.5) ; U76.M7 v1(68.63,141.5) ; U77.M7 v1(31.29,141.5)
  ART08 w0.102: v1(59.8,111.53) 59.2,112.13 59.2,117.03 ; v1(68.63,141.5) 68.42,141.5 68.02,141.9 56.58,141.9 v1(56.18,141.5) 55.78,141.9 44.13,141.9 v1(43.73,141.5) 43.33,141.9 31.69,141.9 v1(31.29,141.5)
  ART08 w0.183: 59.2,117.03 59.2,117.54 59.01,117.72 57.7,117.72 57.52,117.91 57.52,118.27 57.7,118.46 59.01,118.46 59.2,118.64 59.2,119 59.01,119.19 58.3,119.19 58.12,119.37 58.12,119.74 58.3,119.92 59.01,119.92 59.2,120.1 59.2,126.74 59.56,127.1 62.58,127.1 62.77,127.29 62.77,127.65 62.58,127.84 59.38,127.84 59.2,128.02 59.2,128.39 59.38,128.57 64.18,128.57 64.36,128.39 64.36,127.99 64.55,127.81 64.91,127.81 65.1,127.99 65.1,128.39 65.28,128.57 66.09,128.57 66.27,128.75 66.27,129.12 66.09,129.3 59.52,129.3 59.34,129.48 59.34,129.85 59.52,130.03 68.07,130.03 70.41,132.37 70.41,140.61 69.52,141.5 v1(68.63,141.5)
  BOTTOM w0.254: R475.2 32.72,147.1 33.74,146.09 33.74,143.95 v1(31.29,141.5)
DDR3_A_BA0: length 118.7
  TOP w0.254: R476.2 v1(27.89,141.9) ; U76.M2 v1(73.43,141.5) ; U247.AC12 v1(55.8,109.53) ; U75.M2 v1(60.98,141.5) ; U77.M2 v1(36.09,141.5) ; U78.M2 v1(48.54,141.5)
  ART03 w0.102: v1(73.43,141.5) U76.M2 61.38,141.1 v1(60.98,141.5) U75.M2 48.94,141.1 v1(48.54,141.5) U78.M2 36.49,141.1 v1(36.09,141.5)
  ART05 w0.102: 75.66,141.11 75.48,141.29 74.58,141.29 74.39,141.1 73.83,141.1 v1(73.43,141.5) ; v1(55.8,109.53) 55.8,109.71 56.22,110.13 60.01,110.13 60.2,110.31 60.2,112.63 60.63,113.07 67.3,113.07
  ART05 w0.183: 75.66,141.11 77.32,139.45 77.32,130.86 74.57,128.11 71.33,128.11 70.8,127.57 66.86,127.57 66.3,127.01 66.3,121.34 65.94,120.97 65.94,120.39 66.3,120.03 66.3,119.61 66.12,119.43 64.22,119.43 64.04,119.25 64.04,118.88 64.22,118.7 66.12,118.7 66.3,118.51 66.3,118.15 66.12,117.97 62.32,117.97 62.13,117.78 62.13,117.42 62.32,117.23 67.26,117.23 67.48,117.02 67.48,113.25 67.3,113.07
  ART10 w0.102: v1(36.09,141.5) U77.M2 28.69,141.1 v1(27.89,141.9)
